# KiCad board pcb.kicad_pcb
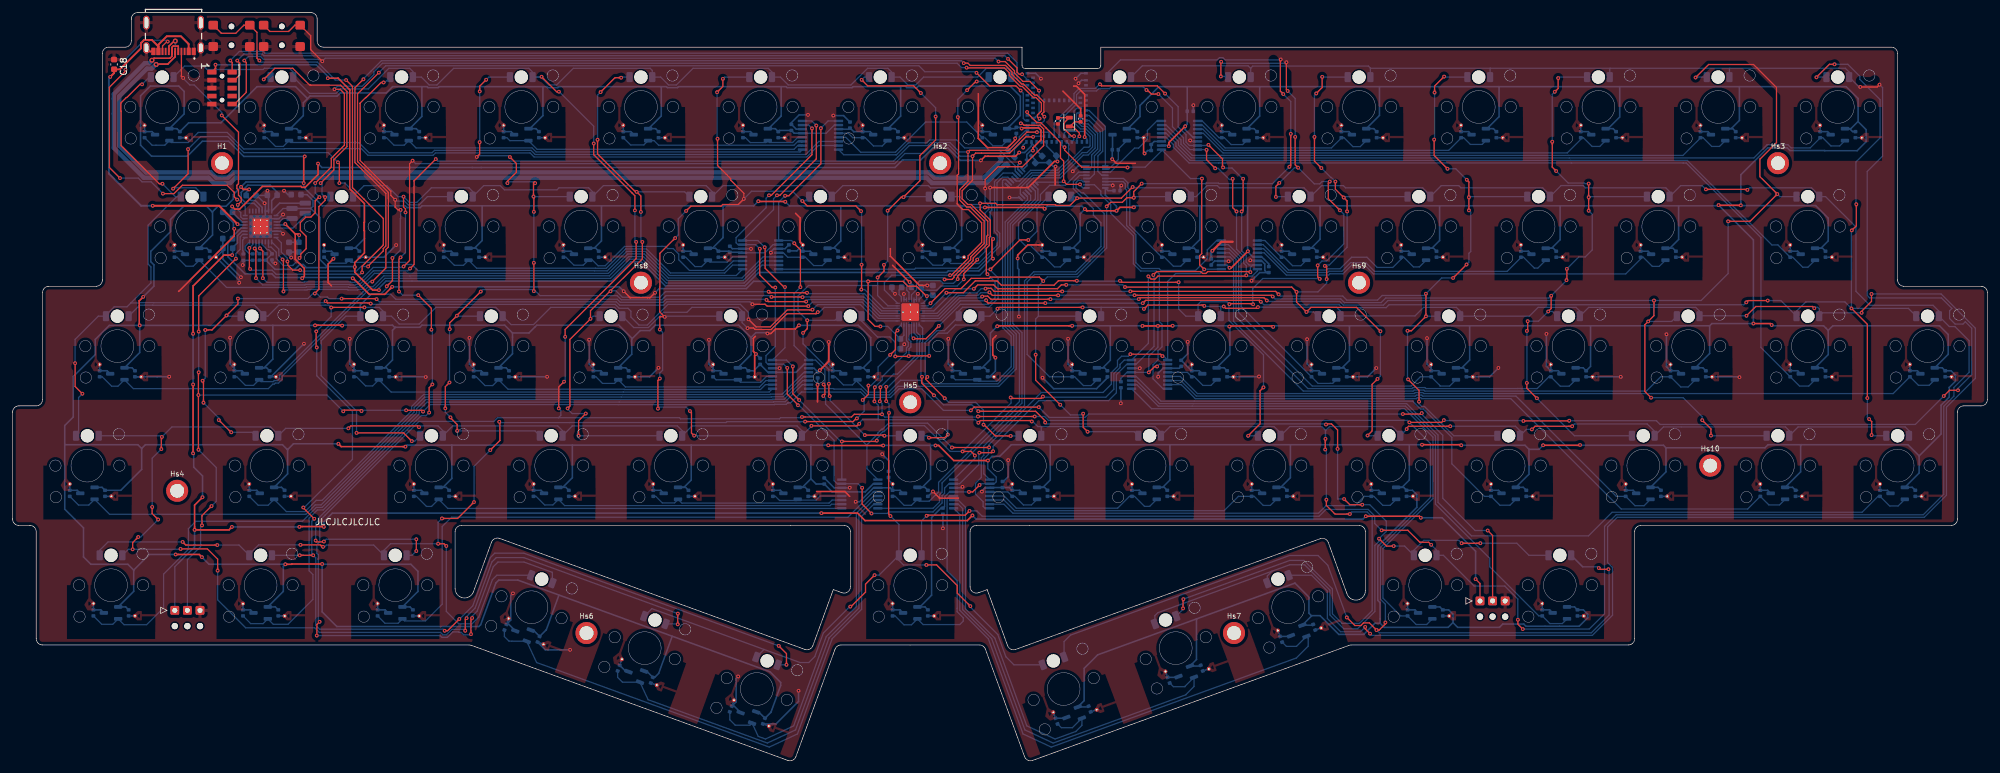
[diagram p0: board, top side]
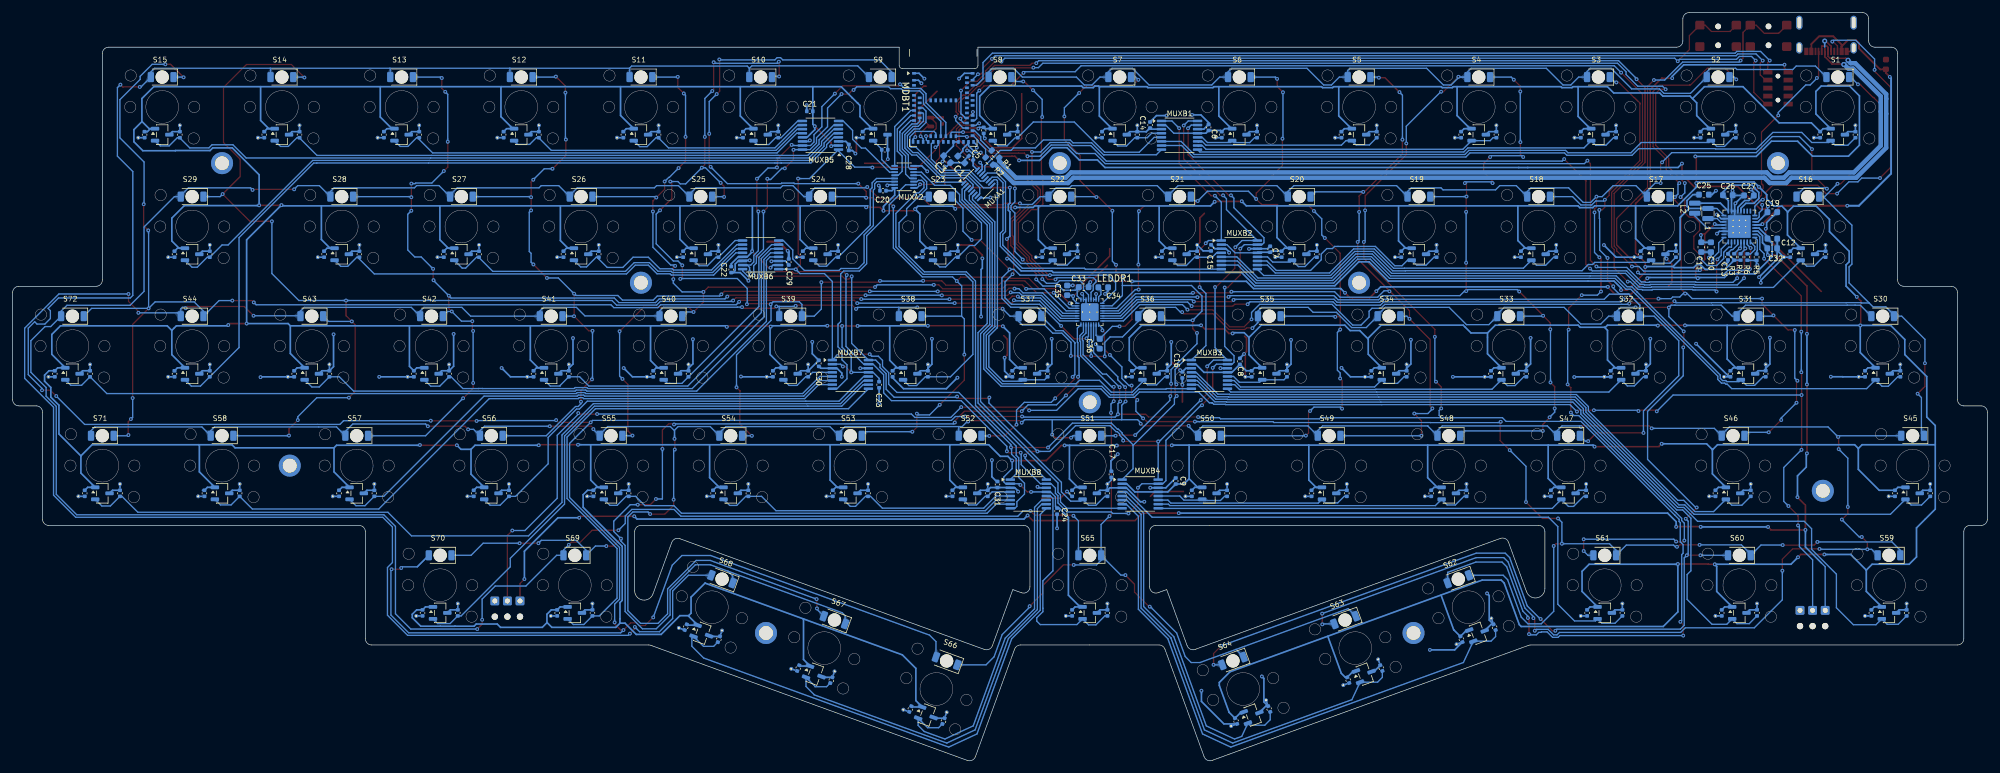
[diagram p1: board, bottom side, seen from below]

Outline 313.5 x 118.85 mm; copper layers: Top, Bottom. Coordinates in mm from the lower left corner of the outline.
Outline path: 0,55.35 arc(0.29,56.05) 1,56.35 3.75,56.35 arc(4.46,56.64) 4.75,57.35 4.75,74.35 arc(5.04,75.05) 5.75,75.35 13.25,75.35 arc(13.96,75.64) 14.25,76.35 14.25,112.35 arc(14.54,113.05) 15.25,113.35 17.85,113.35 arc(18.56,113.64) 18.85,114.35 18.85,117.85 arc(19.14,118.55) 19.85,118.85 47.35,118.85 arc(48.06,118.55) 48.35,117.85 48.35,114.35 arc(48.64,113.64) 49.35,113.35 160.25,113.35 160.25,110.45 arc(160.4,110.09) 160.75,109.95 172.25,109.95 arc(172.6,110.09) 172.75,110.45 172.75,113.35 298.25,113.35 arc(298.96,113.05) 299.25,112.35 299.25,76.35 arc(299.54,75.64) 300.25,75.35 312.5,75.35 arc(313.21,75.05) 313.5,74.35 313.5,57.35 arc(313.21,56.64) 312.5,56.35 309.75,56.35 arc(309.04,56.05) 308.75,55.35 308.75,38.35 arc(308.46,37.64) 307.75,37.35 258.5,37.35 arc(257.79,37.05) 257.5,36.35 257.5,19.35 arc(257.21,18.64) 256.5,18.35 212.51,18.35 arc(212.33,18.33) 212.16,18.29 161.93,0 arc(161.17,0.04) 160.65,0.6 154.43,17.69 arc(154.07,18.16) 153.49,18.35 131.51,18.35 arc(130.93,18.16) 130.57,17.69 124.35,0.6 arc(123.83,0.03) 123.07,0 72.83,18.29 arc(72.66,18.33) 72.49,18.35 4.75,18.35 arc(4.04,18.64) 3.75,19.35 3.75,36.35 arc(3.46,37.05) 2.75,37.35 1,37.35 arc(0.29,37.64) 0,38.35 0,55.35 ; 70.25,36.35 70.25,27.32 arc(71.49,25.84) 73.16,26.8 76.03,34.68 arc(76.54,35.24) 77.31,35.28 125.76,17.64 arc(126.53,17.67) 127.04,18.24 130.29,27.15 131.66,26.65 arc(132.57,26.77) 133,27.59 133,36.35 arc(132.71,37.05) 132,37.35 71.25,37.35 arc(70.54,37.05) 70.25,36.35 ; 152,36.35 arc(152.29,37.05) 153,37.35 213.75,37.35 arc(214.46,37.05) 214.75,36.35 214.75,26.97 arc(213.51,25.49) 211.84,26.46 208.86,34.64 arc(208.35,35.2) 207.58,35.24 159.24,17.64 arc(158.47,17.68) 157.96,18.24 154.71,27.15 153.34,26.65 arc(152.43,26.77) 152,27.59 152,36.35
Stack: Top 0.035mm / dielectric 1mm FR4 er 4.5 / Bottom 0.035mm

## Placement (name value [footprint] x y rotation side)
BAT1  ~  [PCB_Wire_Solder_3p_Connector]  27.75 23.85 0 top
BAT2  ~  [PCB_Wire_Solder_3p_Connector]  234.95 25.35 0 top
C1  10uF  [C_0603_1608Metric]  162.9 95.49 225 bottom
C2  12pF  [C_0402_1005Metric]  169.55 101.97 90 top
C3  10uF  [C_0603_1608Metric]  165.15 95.55 225 bottom
C4  12pF  [C_0402_1005Metric]  165.95 101.63 270 top
C5  .1uF  [C_0402_1005Metric]  161.35 95.75 225 bottom
C6  .1uF  [C_0402_1005Metric]  123.63 100.6 270 bottom
C7  .1uF  [C_0402_1005Metric]  113.86 81.24 270 bottom
C8  .1uF  [C_0402_1005Metric]  118.67 63.42 270 bottom
C9  .1uF  [C_0402_1005Metric]  128.85 44.41 270 bottom
C10  10uF  [C_0603_1608Metric]  43.88 81.56 270 bottom
C11  10uF  [C_0603_1608Metric]  45.43 81.57 270 bottom
C12  10uF  [C_0603_1608Metric]  34.14 82.93 180 bottom
C13  0.1uF  [C_0402_1005Metric]  41.18 80.02 90 bottom
C14  .1uF  [C_0402_1005Metric]  132.93 100.98 270 bottom
C15  .1uF  [C_0402_1005Metric]  123.24 81.46 270 bottom
C16  .1uF  [C_0402_1005Metric]  127.81 61.27 270 bottom
C17  .1uF  [C_0402_1005Metric]  139.07 45.46 270 bottom
C18  1uF  [C_0603_1608Metric]  16.11 110.61 90 top
C19  1uF  [C_0603_1608Metric]  34.14 87.14 180 bottom
C20  .1uF  [C_0402_1005Metric]  175.33 90.55 180 bottom
C21  .1uF  [C_0402_1005Metric]  186.95 103.17 180 bottom
C22  .1uF  [C_0402_1005Metric]  199.42 78.01 90 bottom
C23  .1uF  [C_0402_1005Metric]  175.94 59.71 90 bottom
C24  .1uF  [C_0402_1005Metric]  147.69 39.62 90 bottom
C25  10uF  [C_0603_1608Metric]  45.01 89.92 180 bottom
C26  10uF  [C_0603_1608Metric]  41.22 89.84 180 bottom
C27  2.2uF  [C_0603_1608Metric]  37.84 89.79 0 bottom
C28  .1uF  [C_0402_1005Metric]  180.75 97.41 270 bottom
C29  .1uF  [C_0402_1005Metric]  190.28 79.21 270 bottom
C30  .1uF  [C_0402_1005Metric]  185.51 63.11 270 bottom
C31  .1uF  [C_0402_1005Metric]  157.15 43.85 270 bottom
C32  2.2uF  [C_0603_1608Metric]  34.16 81.4 180 bottom
C33  1nF  [C_0603_1608Metric]  143.47 75.22 180 bottom
C34  1uF  [C_0603_1608Metric]  140.37 75.19 0 bottom
C35  1uF  [C_0603_1608Metric]  146.09 74.7 90 bottom
C36  1uF  [C_0603_1608Metric]  140.92 66.21 270 bottom
Cvcc1  0.1uF  [C_0402_1005Metric_Cvcc]  26.55 99.45 270 bottom
Cvcc2  0.1uF  [C_0402_1005Metric_Cvcc]  45.55 99.45 270 bottom
Cvcc3  0.1uF  [C_0402_1005Metric_Cvcc]  64.55 99.45 270 bottom
Cvcc4  0.1uF  [C_0402_1005Metric_Cvcc]  83.55 99.45 270 bottom
Cvcc5  0.1uF  [C_0402_1005Metric_Cvcc]  102.55 99.45 270 bottom
Cvcc6  0.1uF  [C_0402_1005Metric_Cvcc]  121.55 99.45 270 bottom
Cvcc7  0.1uF  [C_0402_1005Metric_Cvcc]  140.55 99.45 270 bottom
Cvcc8  0.1uF  [C_0402_1005Metric_Cvcc#2]  159.34 100.13 270 bottom
Cvcc9  0.1uF  [C_0402_1005Metric_Cvcc]  178.55 99.45 270 bottom
Cvcc10  0.1uF  [C_0402_1005Metric_Cvcc]  197.55 99.45 270 bottom
Cvcc11  0.1uF  [C_0402_1005Metric_Cvcc]  216.55 99.45 270 bottom
Cvcc12  0.1uF  [C_0402_1005Metric_Cvcc]  235.55 99.45 270 bottom
Cvcc13  0.1uF  [C_0402_1005Metric_Cvcc]  254.55 99.45 270 bottom
Cvcc14  0.1uF  [C_0402_1005Metric_Cvcc]  273.55 99.45 270 bottom
Cvcc15  0.1uF  [C_0402_1005Metric_Cvcc]  292.55 99.45 270 bottom
Cvcc16  0.1uF  [C_0402_1005Metric_Cvcc]  31.3 80.45 270 bottom
Cvcc17  0.1uF  [C_0402_1005Metric_Cvcc]  55.05 80.45 270 bottom
Cvcc18  0.1uF  [C_0402_1005Metric_Cvcc]  74.05 80.45 270 bottom
Cvcc19  0.1uF  [C_0402_1005Metric_Cvcc]  93.05 80.45 270 bottom
Cvcc20  0.1uF  [C_0402_1005Metric_Cvcc]  112.05 80.45 270 bottom
Cvcc21  0.1uF  [C_0402_1005Metric_Cvcc]  131.05 80.45 270 bottom
Cvcc22  0.1uF  [C_0402_1005Metric_Cvcc]  150.05 80.45 270 bottom
Cvcc23  0.1uF  [C_0402_1005Metric_Cvcc]  169.05 80.45 270 bottom
Cvcc24  0.1uF  [C_0402_1005Metric_Cvcc]  188.05 80.45 270 bottom
Cvcc25  0.1uF  [C_0402_1005Metric_Cvcc]  207.05 80.45 270 bottom
Cvcc26  0.1uF  [C_0402_1005Metric_Cvcc]  226.05 80.45 270 bottom
Cvcc27  0.1uF  [C_0402_1005Metric_Cvcc]  245.05 80.45 270 bottom
Cvcc28  0.1uF  [C_0402_1005Metric_Cvcc]  264.05 80.45 270 bottom
Cvcc29  0.1uF  [C_0402_1005Metric_Cvcc]  287.8 80.45 270 bottom
Cvcc30  0.1uF  [C_0402_1005Metric_Cvcc]  19.43 61.45 270 bottom
Cvcc31  0.1uF  [C_0402_1005Metric_Cvcc]  40.8 61.45 270 bottom
Cvcc32  0.1uF  [C_0402_1005Metric_Cvcc]  59.8 61.45 270 bottom
Cvcc33  0.1uF  [C_0402_1005Metric_Cvcc]  78.8 61.45 270 bottom
Cvcc34  0.1uF  [C_0402_1005Metric_Cvcc]  97.8 61.45 270 bottom
Cvcc35  0.1uF  [C_0402_1005Metric_Cvcc]  116.8 61.45 270 bottom
Cvcc36  0.1uF  [C_0402_1005Metric_Cvcc]  135.8 61.45 270 bottom
Cvcc37  0.1uF  [C_0402_1005Metric_Cvcc]  154.8 61.45 270 bottom
Cvcc38  0.1uF  [C_0402_1005Metric_Cvcc#2]  173.8 61.45 270 bottom
Cvcc39  0.1uF  [C_0402_1005Metric_Cvcc]  192.8 61.45 270 bottom
Cvcc40  0.1uF  [C_0402_1005Metric_Cvcc]  211.8 61.45 270 bottom
Cvcc41  0.1uF  [C_0402_1005Metric_Cvcc]  230.8 61.45 270 bottom
Cvcc42  0.1uF  [C_0402_1005Metric_Cvcc]  249.8 61.45 270 bottom
Cvcc43  0.1uF  [C_0402_1005Metric_Cvcc]  268.8 61.45 270 bottom
Cvcc44  0.1uF  [C_0402_1005Metric_Cvcc]  287.8 61.45 270 bottom
Cvcc45  0.1uF  [C_0402_1005Metric_Cvcc]  14.68 42.45 270 bottom
Cvcc46  0.1uF  [C_0402_1005Metric_Cvcc]  43.17 42.45 270 bottom
Cvcc47  0.1uF  [C_0402_1005Metric_Cvcc]  69.3 42.45 270 bottom
Cvcc48  0.1uF  [C_0402_1005Metric_Cvcc]  88.3 42.45 270 bottom
Cvcc49  0.1uF  [C_0402_1005Metric_Cvcc]  107.3 42.45 270 bottom
Cvcc50  0.1uF  [C_0402_1005Metric_Cvcc]  126.3 42.45 270 bottom
Cvcc51  0.1uF  [C_0402_1005Metric_Cvcc#2]  145.3 42.45 270 bottom
Cvcc52  0.1uF  [C_0402_1005Metric_Cvcc]  164.3 42.45 270 bottom
Cvcc53  0.1uF  [C_0402_1005Metric_Cvcc]  183.3 42.45 270 bottom
Cvcc54  0.1uF  [C_0402_1005Metric_Cvcc]  202.3 42.45 270 bottom
Cvcc55  0.1uF  [C_0402_1005Metric_Cvcc]  221.3 42.45 270 bottom
Cvcc56  0.1uF  [C_0402_1005Metric_Cvcc]  240.3 42.45 270 bottom
Cvcc57  0.1uF  [C_0402_1005Metric_Cvcc]  261.68 42.45 270 bottom
Cvcc58  0.1uF  [C_0402_1005Metric_Cvcc]  283.05 42.45 270 bottom
Cvcc59  0.1uF  [C_0402_1005Metric_Cvcc]  18.43 23.45 270 bottom
Cvcc60  0.1uF  [C_0402_1005Metric_Cvcc]  42.17 23.45 270 bottom
Cvcc61  0.1uF  [C_0402_1005Metric_Cvcc]  63.55 23.45 270 bottom
Cvcc62  0.1uF  [C_0402_1005Metric_Cvcc]  83.5 19.25 250 bottom
Cvcc63  0.1uF  [C_0402_1005Metric_Cvcc]  101.48 12.75 250 bottom
Cvcc64  0.1uF  [C_0402_1005Metric_Cvcc]  119.28 6.25 250 bottom
Cvcc65  0.1uF  [C_0402_1005Metric_Cvcc]  145.3 23.45 270 bottom
Cvcc66  0.1uF  [C_0402_1005Metric_Cvcc]  170.99 8.17 290 bottom
Cvcc67  0.1uF  [C_0402_1005Metric_Cvcc]  188.79 14.67 290 bottom
Cvcc68  0.1uF  [C_0402_1005Metric_Cvcc]  206.64 21.17 290 bottom
Cvcc69  0.1uF  [C_0402_1005Metric_Cvcc]  227.05 23.45 270 bottom
Cvcc70  0.1uF  [C_0402_1005Metric_Cvcc]  248.43 23.45 270 bottom
Cvcc71  0.1uF  [C_0402_1005Metric_Cvcc]  302.05 42.45 270 bottom
Cvcc72  0.1uF  [C_0402_1005Metric_Cvcc]  306.8 61.45 270 bottom
Cvout1  0.1nF  [C_0402_1005Metric_Cvout]  20.95 99.45 90 bottom
Cvout2  0.1nF  [C_0402_1005Metric_Cvout]  39.95 99.45 90 bottom
Cvout3  0.1nF  [C_0402_1005Metric_Cvout]  58.95 99.45 90 bottom
Cvout4  0.1nF  [C_0402_1005Metric_Cvout]  77.95 99.45 90 bottom
Cvout5  0.1nF  [C_0402_1005Metric_Cvout]  96.95 99.45 90 bottom
Cvout6  0.1nF  [C_0402_1005Metric_Cvout]  115.95 99.45 90 bottom
Cvout7  0.1nF  [C_0402_1005Metric_Cvout]  134.95 99.45 90 bottom
Cvout8  0.1nF  [C_0402_1005Metric_Cvout]  153.95 99.45 90 bottom
Cvout9  0.1nF  [C_0402_1005Metric_Cvout#2]  175.05 97.05 180 bottom
Cvout10  0.1nF  [C_0402_1005Metric_Cvout]  191.95 99.45 90 bottom
Cvout11  0.1nF  [C_0402_1005Metric_Cvout]  210.95 99.45 90 bottom
Cvout12  0.1nF  [C_0402_1005Metric_Cvout]  229.95 99.45 90 bottom
Cvout13  0.1nF  [C_0402_1005Metric_Cvout]  248.95 99.45 90 bottom
Cvout14  0.1nF  [C_0402_1005Metric_Cvout]  267.95 99.45 90 bottom
Cvout15  0.1nF  [C_0402_1005Metric_Cvout]  286.95 99.45 90 bottom
Cvout16  0.1nF  [C_0402_1005Metric_Cvout]  25.7 80.45 90 bottom
Cvout17  0.1nF  [C_0402_1005Metric_Cvout]  49.45 80.45 90 bottom
Cvout18  0.1nF  [C_0402_1005Metric_Cvout]  68.45 80.45 90 bottom
Cvout19  0.1nF  [C_0402_1005Metric_Cvout]  87.45 80.45 90 bottom
Cvout20  0.1nF  [C_0402_1005Metric_Cvout]  106.45 80.45 90 bottom
Cvout21  0.1nF  [C_0402_1005Metric_Cvout]  125.45 80.45 90 bottom
Cvout22  0.1nF  [C_0402_1005Metric_Cvout]  144.45 80.45 90 bottom
Cvout23  0.1nF  [C_0402_1005Metric_Cvout]  163.45 80.45 90 bottom
Cvout24  0.1nF  [C_0402_1005Metric_Cvout]  182.45 80.45 90 bottom
Cvout25  0.1nF  [C_0402_1005Metric_Cvout]  201.45 80.45 90 bottom
Cvout26  0.1nF  [C_0402_1005Metric_Cvout]  220.45 80.45 90 bottom
Cvout27  0.1nF  [C_0402_1005Metric_Cvout]  239.45 80.45 90 bottom
Cvout28  0.1nF  [C_0402_1005Metric_Cvout]  258.45 80.45 90 bottom
Cvout29  0.1nF  [C_0402_1005Metric_Cvout]  282.2 80.45 90 bottom
Cvout30  0.1nF  [C_0402_1005Metric_Cvout]  13.82 61.45 90 bottom
Cvout31  0.1nF  [C_0402_1005Metric_Cvout]  35.2 61.45 90 bottom
Cvout32  0.1nF  [C_0402_1005Metric_Cvout]  54.2 61.45 90 bottom
Cvout33  0.1nF  [C_0402_1005Metric_Cvout]  73.2 61.45 90 bottom
Cvout34  0.1nF  [C_0402_1005Metric_Cvout]  92.2 61.45 90 bottom
Cvout35  0.1nF  [C_0402_1005Metric_Cvout]  111.2 61.45 90 bottom
Cvout36  0.1nF  [C_0402_1005Metric_Cvout]  130.2 61.45 90 bottom
Cvout37  0.1nF  [C_0402_1005Metric_Cvout]  149.2 61.45 90 bottom
Cvout38  0.1nF  [C_0402_1005Metric_Cvout]  168.2 61.45 90 bottom
Cvout39  0.1nF  [C_0402_1005Metric_Cvout]  187.2 61.45 90 bottom
Cvout40  0.1nF  [C_0402_1005Metric_Cvout]  206.2 61.45 90 bottom
Cvout41  0.1nF  [C_0402_1005Metric_Cvout]  225.2 61.45 90 bottom
Cvout42  0.1nF  [C_0402_1005Metric_Cvout]  244.2 61.45 90 bottom
Cvout43  0.1nF  [C_0402_1005Metric_Cvout]  263.2 61.45 90 bottom
Cvout44  0.1nF  [C_0402_1005Metric_Cvout]  282.2 61.45 90 bottom
Cvout45  0.1nF  [C_0402_1005Metric_Cvout]  9.07 42.45 90 bottom
Cvout46  0.1nF  [C_0402_1005Metric_Cvout]  37.58 42.45 90 bottom
Cvout47  0.1nF  [C_0402_1005Metric_Cvout]  63.7 42.45 90 bottom
Cvout48  0.1nF  [C_0402_1005Metric_Cvout]  82.7 42.45 90 bottom
Cvout49  0.1nF  [C_0402_1005Metric_Cvout]  101.7 42.45 90 bottom
Cvout50  0.1nF  [C_0402_1005Metric_Cvout]  120.7 42.45 90 bottom
Cvout51  0.1nF  [C_0402_1005Metric_Cvout]  139.7 42.45 90 bottom
Cvout52  0.1nF  [C_0402_1005Metric_Cvout]  158.7 42.45 90 bottom
Cvout53  0.1nF  [C_0402_1005Metric_Cvout]  177.7 42.45 90 bottom
Cvout54  0.1nF  [C_0402_1005Metric_Cvout]  196.7 42.45 90 bottom
Cvout55  0.1nF  [C_0402_1005Metric_Cvout]  215.7 42.45 90 bottom
Cvout56  0.1nF  [C_0402_1005Metric_Cvout]  234.7 42.45 90 bottom
Cvout57  0.1nF  [C_0402_1005Metric_Cvout]  256.07 42.45 90 bottom
Cvout58  0.1nF  [C_0402_1005Metric_Cvout]  277.45 42.45 90 bottom
Cvout59  0.1nF  [C_0402_1005Metric_Cvout]  12.82 23.45 90 bottom
Cvout60  0.1nF  [C_0402_1005Metric_Cvout]  36.58 23.45 90 bottom
Cvout61  0.1nF  [C_0402_1005Metric_Cvout]  57.95 23.45 90 bottom
Cvout62  0.1nF  [C_0402_1005Metric_Cvout]  78.24 21.17 70 bottom
Cvout63  0.1nF  [C_0402_1005Metric_Cvout]  96.21 14.67 70 bottom
Cvout64  0.1nF  [C_0402_1005Metric_Cvout]  114.01 8.17 70 bottom
Cvout65  0.1nF  [C_0402_1005Metric_Cvout]  139.7 23.45 90 bottom
Cvout66  0.1nF  [C_0402_1005Metric_Cvout]  165.72 6.25 110 bottom
Cvout67  0.1nF  [C_0402_1005Metric_Cvout]  183.52 12.75 110 bottom
Cvout68  0.1nF  [C_0402_1005Metric_Cvout]  201.37 19.25 110 bottom
Cvout69  0.1nF  [C_0402_1005Metric_Cvout]  221.45 23.45 90 bottom
Cvout70  0.1nF  [C_0402_1005Metric_Cvout]  242.82 23.45 90 bottom
Cvout71  0.1nF  [C_0402_1005Metric_Cvout]  296.45 42.45 90 bottom
Cvout72  0.1nF  [C_0402_1005Metric_Cvout]  301.2 61.45 90 bottom
D1  Green LED  [LED_1206_3216Metric_ReverseMount_Hole2.1mm]  23.75 108.6 0 bottom
D2  Green LED  [LED_1206_3216Metric_ReverseMount_Hole2.1mm]  42.75 108.6 0 bottom
D3  Green LED  [LED_1206_3216Metric_ReverseMount_Hole2.1mm]  61.75 108.6 0 bottom
D4  Green LED  [LED_1206_3216Metric_ReverseMount_Hole2.1mm]  80.75 108.6 0 bottom
D5  Green LED  [LED_1206_3216Metric_ReverseMount_Hole2.1mm]  99.75 108.6 0 bottom
D6  Green LED  [LED_1206_3216Metric_ReverseMount_Hole2.1mm]  118.75 108.6 0 bottom
D7  Green LED  [LED_1206_3216Metric_ReverseMount_Hole2.1mm]  137.75 108.6 0 bottom
D8  Green LED  [LED_1206_3216Metric_ReverseMount_Hole2.1mm]  156.75 108.6 0 bottom
D9  Green LED  [LED_1206_3216Metric_ReverseMount_Hole2.1mm]  175.75 108.6 0 bottom
D10  Green LED  [LED_1206_3216Metric_ReverseMount_Hole2.1mm]  194.75 108.6 0 bottom
D11  Green LED  [LED_1206_3216Metric_ReverseMount_Hole2.1mm]  213.75 108.6 0 bottom
D12  Green LED  [LED_1206_3216Metric_ReverseMount_Hole2.1mm]  232.75 108.6 0 bottom
D13  Green LED  [LED_1206_3216Metric_ReverseMount_Hole2.1mm]  251.75 108.6 0 bottom
D14  Green LED  [LED_1206_3216Metric_ReverseMount_Hole2.1mm]  270.75 108.6 0 bottom
D15  Green LED  [LED_1206_3216Metric_ReverseMount_Hole2.1mm]  289.75 108.6 0 bottom
D16  Green LED  [LED_1206_3216Metric_ReverseMount_Hole2.1mm]  28.5 89.6 0 bottom
D17  Green LED  [LED_1206_3216Metric_ReverseMount_Hole2.1mm]  52.25 89.6 0 bottom
D18  Green LED  [LED_1206_3216Metric_ReverseMount_Hole2.1mm]  71.25 89.6 0 bottom
D19  Green LED  [LED_1206_3216Metric_ReverseMount_Hole2.1mm]  90.25 89.6 0 bottom
D20  Green LED  [LED_1206_3216Metric_ReverseMount_Hole2.1mm]  109.25 89.6 0 bottom
D21  Green LED  [LED_1206_3216Metric_ReverseMount_Hole2.1mm]  128.25 89.6 0 bottom
D22  Green LED  [LED_1206_3216Metric_ReverseMount_Hole2.1mm]  147.25 89.6 0 bottom
D23  Green LED  [LED_1206_3216Metric_ReverseMount_Hole2.1mm]  166.25 89.6 0 bottom
D24  Green LED  [LED_1206_3216Metric_ReverseMount_Hole2.1mm]  185.25 89.6 0 bottom
D25  Green LED  [LED_1206_3216Metric_ReverseMount_Hole2.1mm]  204.25 89.6 0 bottom
D26  Green LED  [LED_1206_3216Metric_ReverseMount_Hole2.1mm]  223.25 89.6 0 bottom
D27  Green LED  [LED_1206_3216Metric_ReverseMount_Hole2.1mm]  242.25 89.6 0 bottom
D28  Green LED  [LED_1206_3216Metric_ReverseMount_Hole2.1mm]  261.25 89.6 0 bottom
D29  Green LED  [LED_1206_3216Metric_ReverseMount_Hole2.1mm]  285 89.6 0 bottom
D30  Green LED  [LED_1206_3216Metric_ReverseMount_Hole2.1mm]  16.62 70.6 0 bottom
D31  Green LED  [LED_1206_3216Metric_ReverseMount_Hole2.1mm]  38 70.6 0 bottom
D32  Green LED  [LED_1206_3216Metric_ReverseMount_Hole2.1mm]  57 70.6 0 bottom
D33  Green LED  [LED_1206_3216Metric_ReverseMount_Hole2.1mm]  76 70.6 0 bottom
D34  Green LED  [LED_1206_3216Metric_ReverseMount_Hole2.1mm]  95 70.6 0 bottom
D35  Green LED  [LED_1206_3216Metric_ReverseMount_Hole2.1mm]  114 70.6 0 bottom
D36  Green LED  [LED_1206_3216Metric_ReverseMount_Hole2.1mm]  133 70.6 0 bottom
D37  Green LED  [LED_1206_3216Metric_ReverseMount_Hole2.1mm]  152 70.6 0 bottom
D38  Green LED  [LED_1206_3216Metric_ReverseMount_Hole2.1mm]  171 70.6 0 bottom
D39  Green LED  [LED_1206_3216Metric_ReverseMount_Hole2.1mm]  190 70.6 0 bottom
D40  Green LED  [LED_1206_3216Metric_ReverseMount_Hole2.1mm]  209 70.6 0 bottom
D41  Green LED  [LED_1206_3216Metric_ReverseMount_Hole2.1mm]  228 70.6 0 bottom
D42  Green LED  [LED_1206_3216Metric_ReverseMount_Hole2.1mm]  247 70.6 0 bottom
D43  Green LED  [LED_1206_3216Metric_ReverseMount_Hole2.1mm]  266 70.6 0 bottom
D44  Green LED  [LED_1206_3216Metric_ReverseMount_Hole2.1mm]  285 70.6 0 bottom
D45  Green LED  [LED_1206_3216Metric_ReverseMount_Hole2.1mm]  11.88 51.6 0 bottom
D46  Green LED  [LED_1206_3216Metric_ReverseMount_Hole2.1mm]  40.38 51.6 0 bottom
D47  Green LED  [LED_1206_3216Metric_ReverseMount_Hole2.1mm]  66.5 51.6 0 bottom
D48  Green LED  [LED_1206_3216Metric_ReverseMount_Hole2.1mm]  85.5 51.6 0 bottom
D49  Green LED  [LED_1206_3216Metric_ReverseMount_Hole2.1mm]  104.5 51.6 0 bottom
D50  Green LED  [LED_1206_3216Metric_ReverseMount_Hole2.1mm]  123.5 51.6 0 bottom
D51  Green LED  [LED_1206_3216Metric_ReverseMount_Hole2.1mm]  142.5 51.6 0 bottom
D52  Green LED  [LED_1206_3216Metric_ReverseMount_Hole2.1mm]  161.5 51.6 0 bottom
D53  Green LED  [LED_1206_3216Metric_ReverseMount_Hole2.1mm]  180.5 51.6 0 bottom
D54  Green LED  [LED_1206_3216Metric_ReverseMount_Hole2.1mm]  199.5 51.6 0 bottom
D55  Green LED  [LED_1206_3216Metric_ReverseMount_Hole2.1mm]  218.5 51.6 0 bottom
D56  Green LED  [LED_1206_3216Metric_ReverseMount_Hole2.1mm]  237.5 51.6 0 bottom
D57  Green LED  [LED_1206_3216Metric_ReverseMount_Hole2.1mm]  258.88 51.6 0 bottom
D58  Green LED  [LED_1206_3216Metric_ReverseMount_Hole2.1mm]  280.25 51.6 0 bottom
D59  Green LED  [LED_1206_3216Metric_ReverseMount_Hole2.1mm]  15.62 32.6 0 bottom
D60  Green LED  [LED_1206_3216Metric_ReverseMount_Hole2.1mm]  39.38 32.6 0 bottom
D61  Green LED  [LED_1206_3216Metric_ReverseMount_Hole2.1mm]  60.75 32.6 0 bottom
D62  Green LED  [LED_1206_3216Metric_ReverseMount_Hole2.1mm]  84 28.81 340 bottom
D63  Green LED  [LED_1206_3216Metric_ReverseMount_Hole2.1mm]  101.97 22.31 340 bottom
D64  Green LED  [LED_1206_3216Metric_ReverseMount_Hole2.1mm]  119.77 15.81 340 bottom
D65  Green LED  [LED_1206_3216Metric_ReverseMount_Hole2.1mm]  142.5 32.6 0 bottom
D66  Green LED  [LED_1206_3216Metric_ReverseMount_Hole2.1mm]  165.23 15.81 20 bottom
D67  Green LED  [LED_1206_3216Metric_ReverseMount_Hole2.1mm]  183.03 22.31 20 bottom
D68  Green LED  [LED_1206_3216Metric_ReverseMount_Hole2.1mm]  200.88 28.81 20 bottom
D69  Green LED  [LED_1206_3216Metric_ReverseMount_Hole2.1mm]  224.25 32.6 0 bottom
D70  Green LED  [LED_1206_3216Metric_ReverseMount_Hole2.1mm]  245.62 32.6 0 bottom
D71  Green LED  [LED_1206_3216Metric_ReverseMount_Hole2.1mm]  299.25 51.6 0 bottom
D72  Green LED  [LED_1206_3216Metric_ReverseMount_Hole2.1mm]  304 70.6 0 bottom
H1  M2_Pad  [MountingHole_2.2mm_M2_ISO7380_Pad_TopBottom]  33.25 94.92 0 top
Hs2  M2_Pad  [MountingHole_2.2mm_M2_ISO7380_Pad_TopBottom]  147.25 94.92 0 top
Hs3  M2_Pad  [MountingHole_2.2mm_M2_ISO7380_Pad_TopBottom]  280.25 94.92 0 top
Hs4  M2_Pad  [MountingHole_2.2mm_M2_ISO7380_Pad_TopBottom]  26.12 42.85 0 top
Hs5  M2_Pad  [MountingHole_2.2mm_M2_ISO7380_Pad_TopBottom]  142.5 56.92 0 top
Hs6  M2_Pad  [MountingHole_2.2mm_M2_ISO7380_Pad_TopBottom]  91.11 20.25 0 top
Hs7  M2_Pad  [MountingHole_2.2mm_M2_ISO7380_Pad_TopBottom]  193.9 20.25 0 top
Hs8  M2_Pad  [MountingHole_2.2mm_M2_ISO7380_Pad_TopBottom]  99.75 75.92 0 top
Hs9  M2_Pad  [MountingHole_2.2mm_M2_ISO7380_Pad_TopBottom]  213.75 75.92 0 top
Hs10  M2_Pad  [MountingHole_2.2mm_M2_ISO7380_Pad_TopBottom]  269.5 46.85 0 top
JLC1  -  [JLC_Order_Num]  53.32 37.8 0 top
JTAG1  Conn_ARM_JTAG_SWD_10  [SAMTEC-CLP-105-02-X-D-A]  33.25 106.85 270 top
Jusb1  USB_TYPE_C_Receptacle_16P  [GCT_USB4215-03-A_REVA]  25.55 117.25 180 top
L1  2.2uH  [L_Samsung_CIGT201610EH2R2MNE]  44.36 86.92 270 bottom
L2  2.2uH  [L_Samsung_CIGT201610EH2R2MNE]  46.46 87.76 270 bottom
LEDDR1  LP5864  [LP5864-VQFN-32-1EP_4x4mm_P0.4mm_EP2.8x2.8mm_ThermalVias]  142.5 71.25 180 bottom
MDBT1  ~  [Raytac_MDBT50Q]  165.75 105.45 180 bottom
MUXA1  TMUX1574DYY  [Texas_DYY0016A_TSOT-23-16_2x4.2mm_P0.5mm]  160.19 91.58 135 bottom
MUXA2  TMUX1574DYY  [Texas_DYY0016A_TSOT-23-16_2x4.2mm_P0.5mm]  171.97 92.74 0 bottom
MUXB1  TMUX1108PW  [TSSOP-16_4.4x5mm_P0.65mm]  128.25 99.35 180 bottom
MUXB2  TMUX1108PW  [TSSOP-16_4.4x5mm_P0.65mm]  118.75 80.35 180 bottom
MUXB3  TMUX1108PW  [TSSOP-16_4.4x5mm_P0.65mm]  123.5 61.35 180 bottom
MUXB4  TMUX1108PW  [TSSOP-16_4.4x5mm_P0.65mm]  134.5 42.35 180 bottom
MUXB5  TMUX1108PW  [TSSOP-16_4.4x5mm_P0.65mm]  185.25 99.35 0 bottom
MUXB6  TMUX1108PW  [TSSOP-16_4.4x5mm_P0.65mm]  194.75 80.35 0 bottom
MUXB7  TMUX1108PW  [TSSOP-16_4.4x5mm_P0.65mm]  180.5 61.35 180 bottom
MUXB8  TMUX1108PW  [TSSOP-16_4.4x5mm_P0.65mm]  152.25 42.35 180 bottom
PMIC1  nPM1300-QEXX  [QFN-32-1EP_5x5mm_P0.5mm_EP3.6x3.6mm_ThermalVias]  39.38 84.85 180 bottom
R1  27R  [R_0603_1608Metric]  157.47 96.36 225 bottom
R2  27R  [R_0603_1608Metric]  158.45 95.25 225 bottom
R3  10k  [R_0402_1005Metric]  39.19 80.01 90 bottom
R4  10k  [R_0402_1005Metric]  40.2 80.01 90 bottom
R5  47k  [R_0402_1005Metric]  36.64 79.98 90 bottom
R6  47k  [R_0402_1005Metric]  38.11 80 90 bottom
S1  Switch  [Gateron_Kailh_Lowpro_Switch]  23.75 103.85 0 top
S2  Switch  [Gateron_Kailh_Lowpro_Switch]  42.75 103.85 0 top
S3  Switch  [Gateron_Kailh_Lowpro_Switch]  61.75 103.85 0 top
S4  Switch  [Gateron_Kailh_Lowpro_Switch]  80.75 103.85 0 top
S5  Switch  [Gateron_Kailh_Lowpro_Switch]  99.75 103.85 0 top
S6  Switch  [Gateron_Kailh_Lowpro_Switch]  118.75 103.85 0 top
S7  Switch  [Gateron_Kailh_Lowpro_Switch]  137.75 103.85 0 top